# Altium PCB My Little Freind.PcbDoc
Units mil, origin at the board's own origin, x right, y up, seen from the top; angles counter-clockwise.
Board outline 2952.76 x 2145.67 mil, 2 copper layers (Top Layer, Bottom Layer); 65 components, 65 nets, 260 pads, 49 vias.
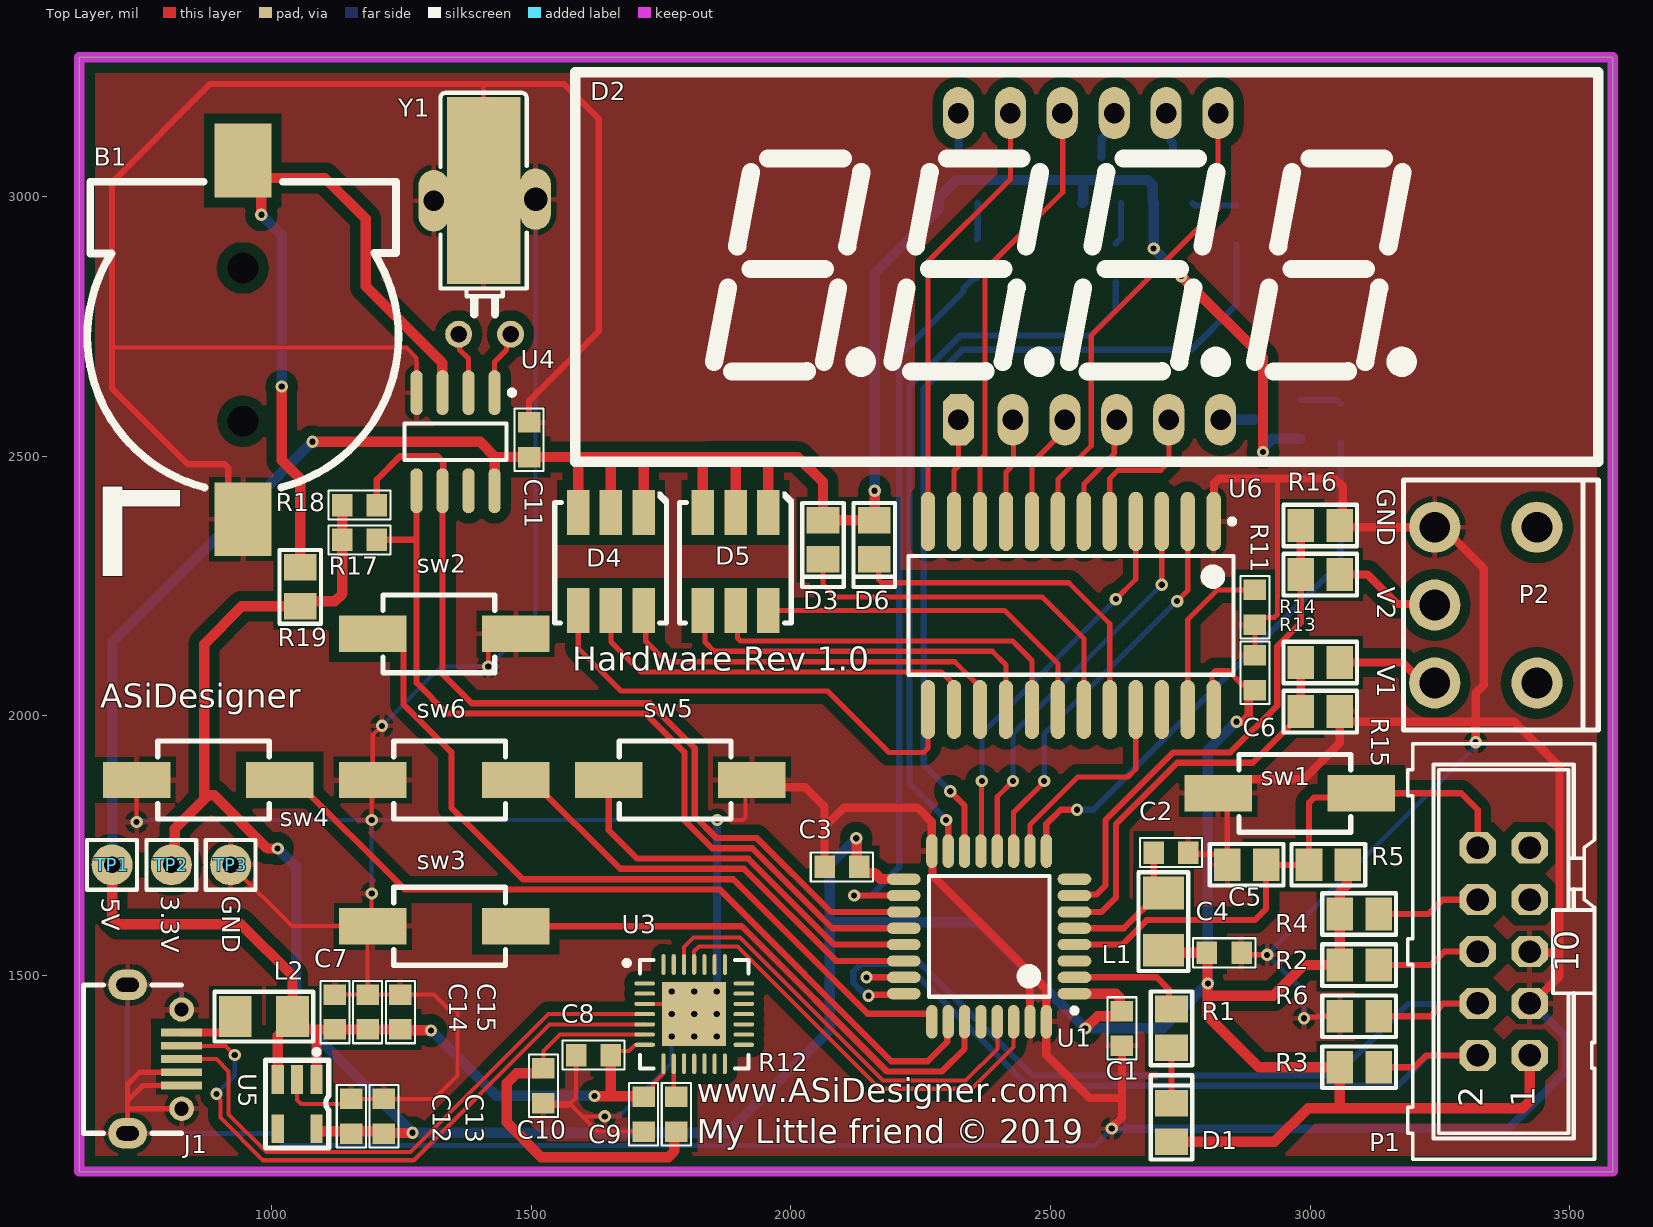
[diagram p0: Top Layer view]
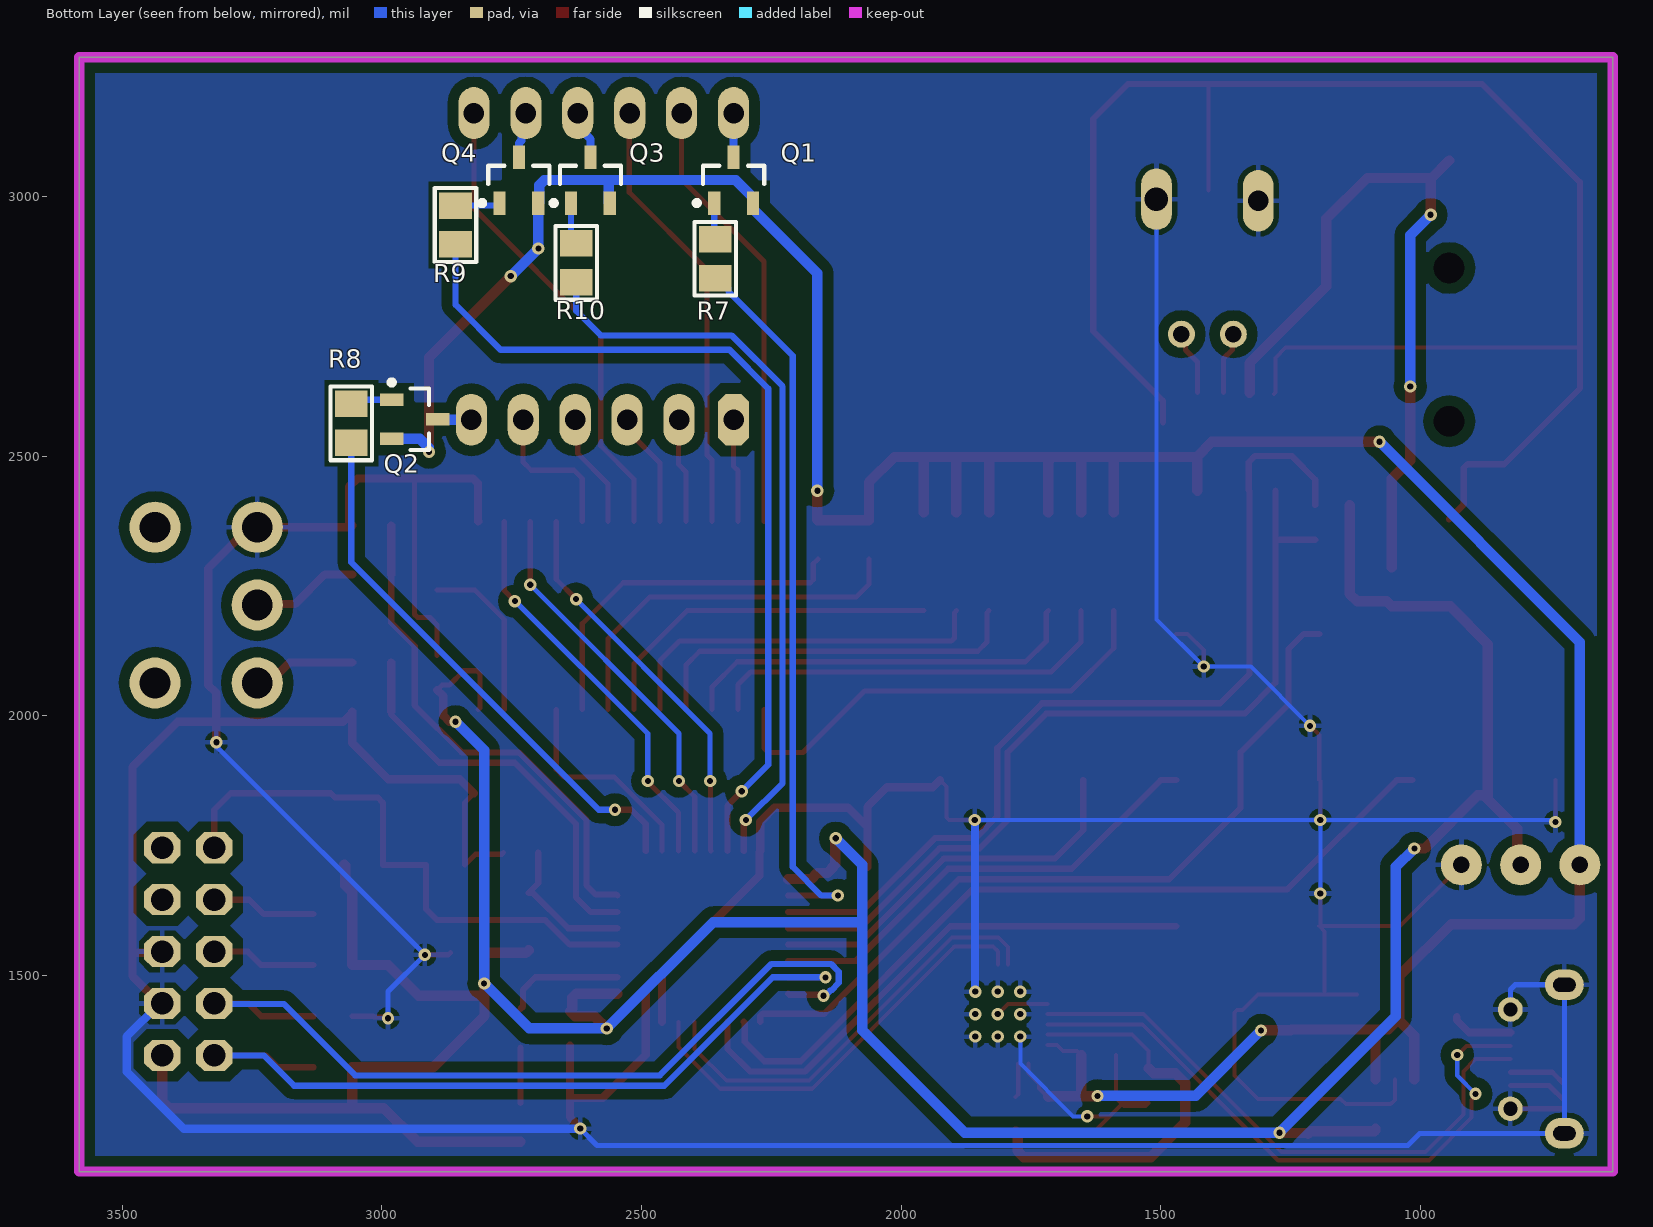
[diagram p1: Bottom Layer view, seen from below]
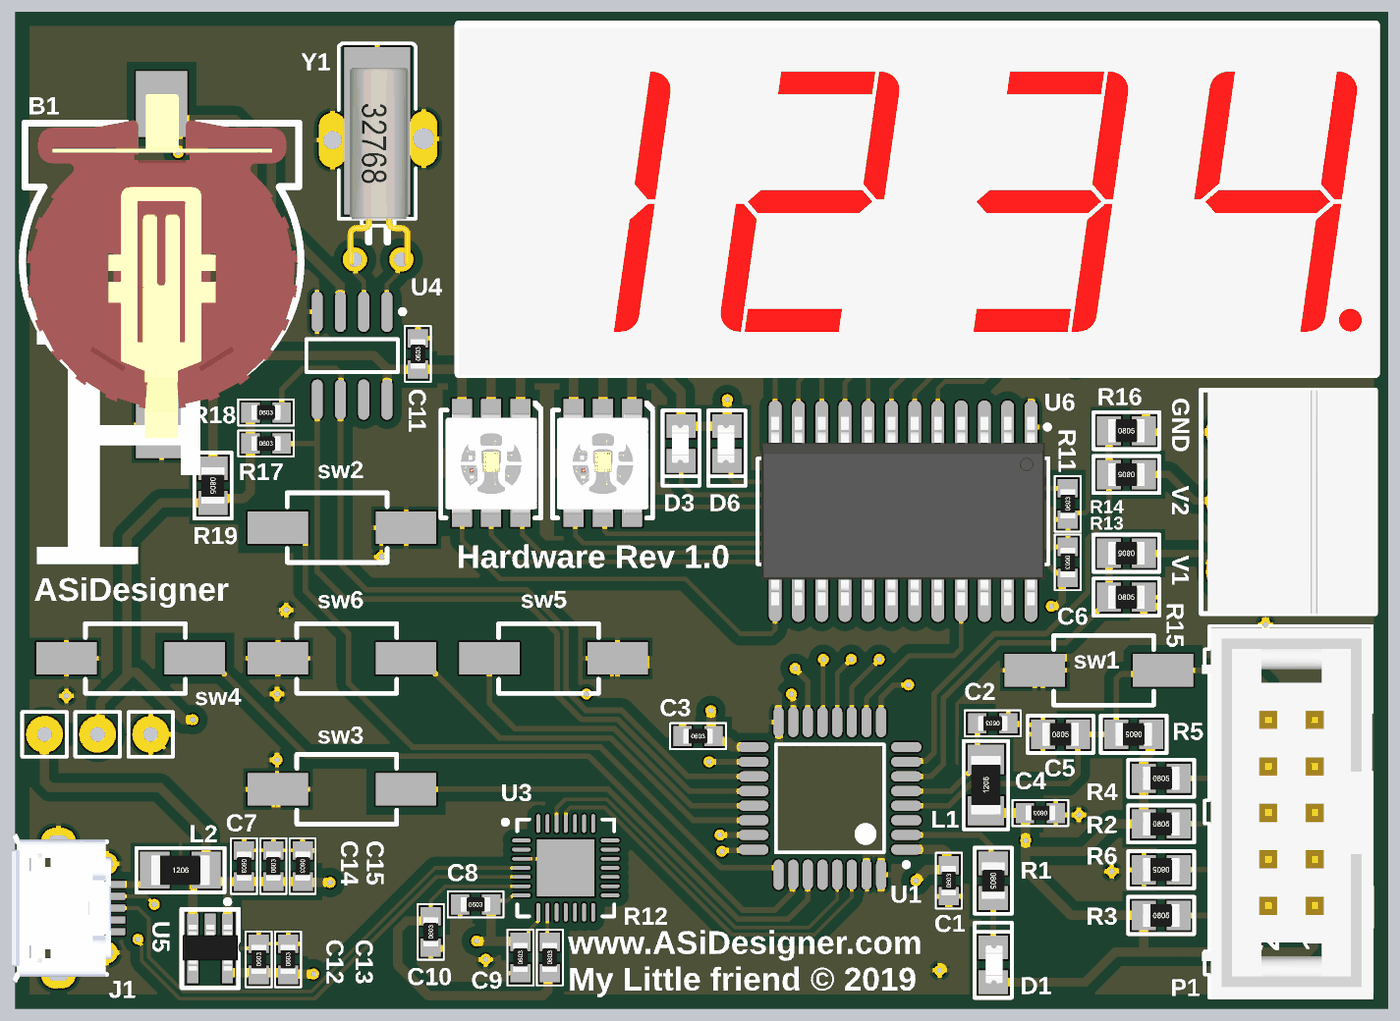
[diagram p2: 3D render of the assembled board from above, using the file's embedded part models]
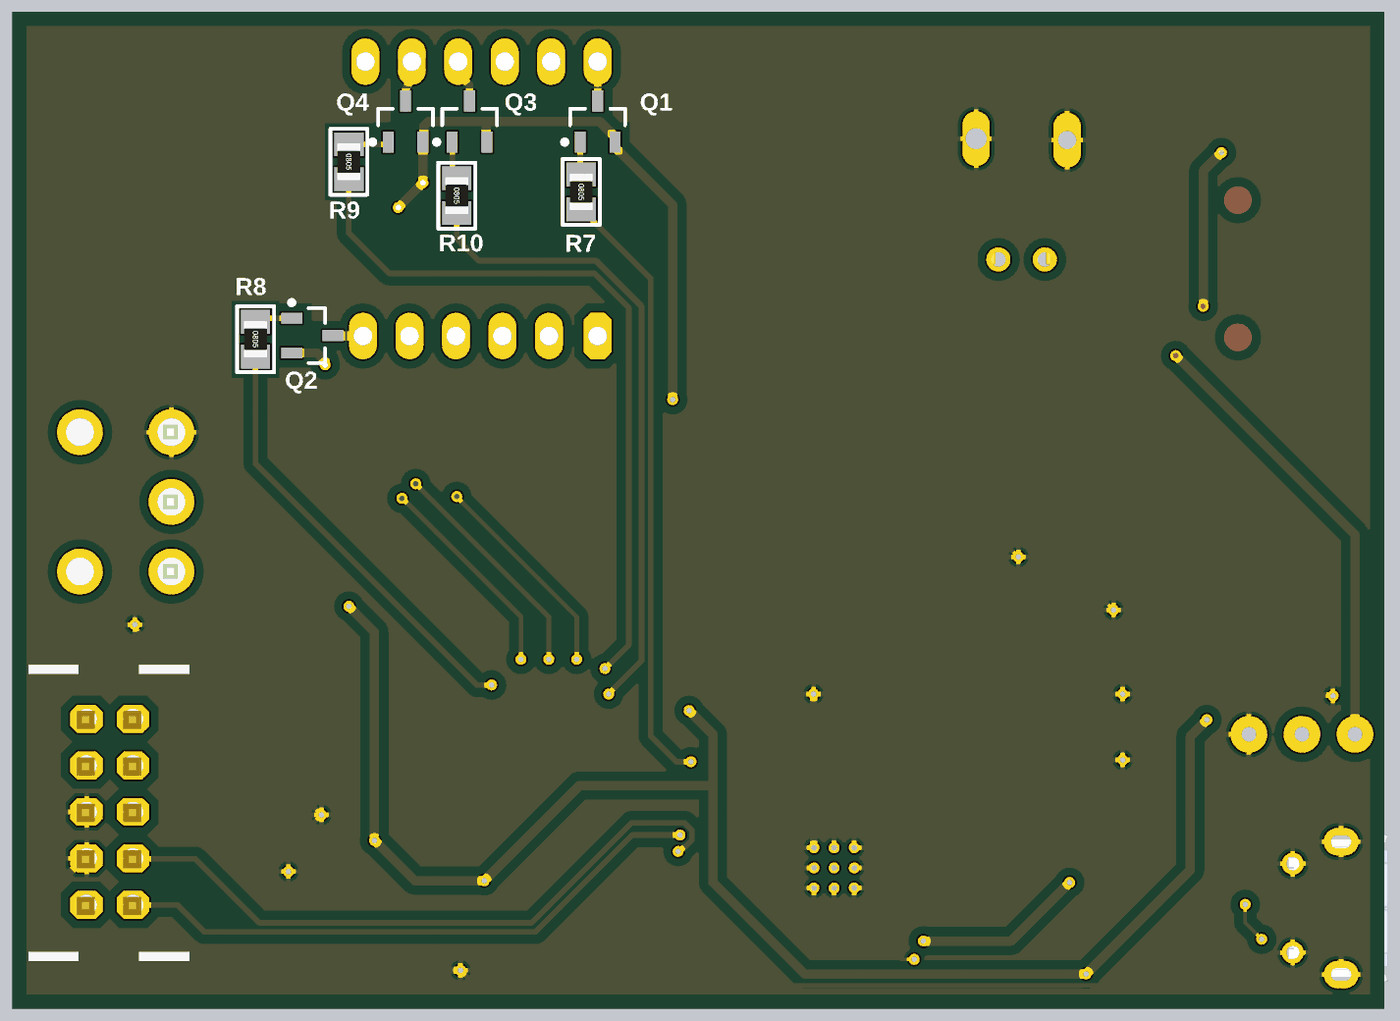
[diagram p3: 3D render of the assembled board from below, using the file's embedded part models]

## Layer stack, top to bottom
Top Solder: solder mask 0.4, Solder Resist, Dk 3.5
Top Layer: signal copper 1.4
Dielectric 1: dielectric 12.6, FR-4, Dk 4.8
Bottom Layer: signal copper 1.4
Bottom Solder: solder mask 0.4, Solder Resist, Dk 3.5

## Board outline
629.92,1122.05 629.92,3267.72 3582.68,3267.72 3582.68,1122.05

## Design rules (kind name [scope] priority, off if disabled: settings)
Clearance Clearance_1 [InNamedPolygon('BOT_GND') Or  InNamedPolygon('TOP_GND')] p1: gap=20 ignorepadtopadclearanceinfootprint=FALSE
Clearance [All] p2: gap=7.8 ignorepadtopadclearanceinfootprint=FALSE
DiffPairsRouting [All] p1: maxlimit=10 minlimit=7.8 mostfreqgap=7.8 toplayer_minwidth=7.8 toplayer_maxwidth=15 toplayer_prefwidth=7.8 bottomlayer_minwidth=7.8 bottomlayer_maxwidth=15 bottomlayer_prefwidth=7.8 maxuncoupledlength=500
HoleSize [All] p1: absolutevalues=TRUE maxlimit=118.11 minlimit=11.81 maxpercent=80.000 minpercent=20.000
HoleToHoleClearance [All] p1: gap=4 allowstackedmicrovias=TRUE
MinimumSolderMaskSliver [All] p1: minsoldermaskwidth=4
PolygonConnect [All] p1: connectstyle=Relief reliefconductorwidth=10 reliefentries=4 polygonreliefangle="90 Angle" airgapwidth=10
RoutingVias [All] p1: holewidth=11.81 width=23.62 viastyle="Through Hole" minholewidth=11.81 minwidth=23.62 maxholewidth=19.68 maxwidth=39.37
SilkToSilkClearance [All] p1: silktosilkclearance=4
SilkToSolderMaskClearance [IsPad] p1: minsilkscreentomaskgap=4 clearancetoexposedcopper=TRUE
SolderMaskExpansion [All] p1: expansion=4
Width [All] p1: maxlimit=100 minlimit=7.5 preferedwidth=10
24 further rules are at their usual default settings.

## Classes and differential pairs
net class C[3..0]: C0 C1 C2 C3
net class ADC[1..0]: ADC0 ADC1
component class "U_[06] Keypad": sw2 sw3 sw4 sw5 sw6
component class "U_[05] RTC": B1 C11 R17 R18 R19 U4 Y1
component class "U_[04] ADC": P2 R13 R14 R15 R16
component class "U_[03] USB": C7 C8 C9 C10 C12 C13 C14 C15 J1 L2 R12 U3 U5
component class "U_[02] Seven Segment": C6 D2 D3 D4 D5 D6 Q1 Q2 Q3 Q4 R7 R8 R9 R10 R11 U6
component class "[01] Main": C1 C2 C3 C4 C5 D1 L1 P1 R1 R2 R3 R4 R5 R6 sw1 TP1 TP2 TP3 U1
differential pair USB_D: +USB_D_P -USB_D_N

## Components (designator, comment, footprint, x,y, rotation, side; value= is the part's Value field where it differs from the comment)
B1 "Littium Battery" "MY_RTC BAT SMD" 944.88,2736.22 r90 top
C1 "100nF" MY_0603 2637.8,1397.64 r90 top
C2 "100nF" MY_0603 2732.28,1736.22 r180 top
C3 "100nF" MY_0603 2098.43,1708.66 r0 top
C4 "100nF" MY_0603 2834.65,1543.31 r180 top
C5 "100nF" MY_0805 2877.95,1712.6 r0 top
C6 "100nF" MY_0603 2893.7,2082.68 r270 top
C7 "100nF" MY_0603 1122.05,1429.13 r270 top
C8 "100nF" MY_0603 1620.08,1346.46 r0 top
C9 "1uF" MY_0603 1716.54,1232.28 r90 top
C10 "100nF" MY_0603 1523.62,1287.4 r90 top
C11 "100nF" MY_0603 1496.06,2531.5 r90 top
C12 "100nF" MY_0603 1153.54,1228.35 r90 top
C13 "1uF" MY_0603 1216.54,1228.35 r90 top
C14 "100nF" MY_0603 1185.04,1429.13 r90 top
C15 "1uF" MY_0603 1248.03,1429.13 r270 top
D1 "LED Y" MY_LED_0805 2736.22,1216.54 r270 top
D2 "comon anode 4x7 segment" MY_4X7_seg 2511.81,2862.2 r0 top
D3 "LED G" MY_LED_0805 2059.05,2338.58 r90 top
D4 "LED RGB" MY_RGB5050 1653.54,2295.28 r90 top
D5 "LED RGB" MY_RGB5050 1893.7,2295.28 r90 top
D6 "LED G" MY_LED_0805 2157.48,2338.58 r90 top
J1 "Mini_USB" MY_Micro_USB_B 826.9,1243.04 r0 top
L1 "BLM31PG601SN1L" MY_1206 2716.54,1602.36 r90 top
L2 "BLM31PG601SN1L" MY_1206 984.25,1421.26 r0 top
P1 "Header 5X2" MY_2X05_BOX 3372.83,1545.67 r90 top
P2 "Header 3" MY_ECH381H_03P 3437.01,2062.99 r90 top
Q1 "BC807-16" SOT-23A_N 2322.83,3031.5 r90 bottom
Q2 "BC807-16" SOT-23A_N 2937.01,2570.87 r180 bottom
Q3 "BC807-16" SOT-23A_N 2598.43,3031.5 r90 bottom
Q4 "BC807-16" SOT-23A_N 2736.22,3031.5 r90 bottom
R1 "120" MY_0805 2733.22,1397.64 r270 top
R2 "10K" MY_0805 3094.49,1519.68 r0 top
R3 "10K" MY_0805 3094.49,1322.83 r0 top
R4 "10K" MY_0805 3094.49,1618.11 r0 top
R5 "10K" MY_0805 3035.43,1712.6 r180 top
R6 "10K" MY_0805 3094.49,1421.26 r180 top
R7 "2.2K" MY_0805 2358.27,2879.92 r270 bottom
R8 "2.2K" MY_0805 3059.06,2562.99 r270 bottom
R9 "2.2K" MY_0805 2858.27,2944.88 r270 bottom
R10 "2.2K" MY_0805 2625.98,2872.05 r270 bottom
R11 "37.4K" MY_0603 2893.7,2208.66 r90 top
R12 "1K" MY_0603 1779.53,1232.28 r90 top
R13 "47K" MY_0805 3019.68,2102.36 r180 top
R14 "47K" MY_0805 3019.68,2271.65 r180 top
R15 "7.5K" MY_0805 3019.68,2007.87 r0 top
R16 "7.5K" MY_0805 3019.68,2366.14 r0 top
R17 "4.7K" MY_0603 1169.29,2338.58 r0 top
R18 "4.7K" MY_0603 1169.29,2405.51 r0 top
R19 "NC" MY_0805 1055.12,2248.03 r270 top
sw1 "Tac switch" MY_PB-SMD 3098.43,1850.39 r180 top
sw2 "Tac switch" MY_PB-SMD 1194.88,2157.48 r0 top
sw3 "Tac switch" MY_PB-SMD 1470.47,1594.49 r180 top
sw4 "Tac switch" MY_PB-SMD 1015.75,1875.98 r180 top
sw5 "Tac switch" MY_PB-SMD 1649.61,1875.98 r0 top
sw6 "Tac switch" MY_PB-SMD 1470.47,1875.98 r180 top
TP1 "5V" MY_TestPin 692.91,1712.6 r0 top
TP2 "3.3V" MY_TestPin 807.09,1712.6 r0 top
TP3 "GND" MY_TestPin 921.26,1712.6 r0 top
U1 "STM32F030K6T6" STM-LQFP32_N 2381.89,1574.8 r180 top
U3 "CP2102-GM" SLAB-QFN-28-3125x3125TP_N 1813.98,1425.2 r0 top
U4 "DS1307Z" SOIC8N_N 1354.33,2527.56 r270 top
U5 "ME6211C33M5G" MY_SOT23-5 1086.61,1299.21 r270 top
U6 "STP1612PW05" MY_SOIC24 2539.37,2192.91 r270 top
Y1 "32.768KHz" MY_RTC_Crystal 1413.39,2901.57 r0 top

## Footprints (in the part's own frame and the unit in brackets; to place one, negate y for a bottom-side part, rotate by r counter-clockwise, add the part's x,y. Pads: shape width x height; smd on the part's side, far side on the other; paste and mask are expansions set on the pad)
MY_2X05_BOX [mil]
  oct 60x70 hole 43.31: 1(-200,-50) 2(-200,50) 3(-100,-50) 4(-100,50) 5(0,-50) 6(0,50) 7(100,-50) 8(100,50) 9(200,-50) 10(200,50)
  silkscreen extent -400,-175 400,185, body extent -400,-179 396,191, height 347
MY_4X7_seg [mil]
  oct 60x100 hole 39.37: 1(-188.97,-292.29)
  oval 60x100 hole 39.37: 2(-83.97,-292.29) 3(16.03,-292.29) 4(116.03,-292.29) 5(216.03,-292.29) 6(316.03,-292.29) 7(311.03,298.26) 8(211.03,298.26) 9(111.03,298.26) 10(11.03,298.26) 11(-88.97,298.26) 12(-188.97,298.26)
  silkscreen extent -927,-373 1043,377, body extent -928,-377 1052,371, height 316
MY_0603 [mm]
  rect 1x1.1 smd: 1(-0.85,0) 2(0.85,0)
  silkscreen extent -1.52,-0.71 1.52,0.71, body extent -0.8,-0.4 0.8,0.4, height 0.44
MY_0805 [mm]
  rect 1.3x1.6 smd: 1(-0.95,0) 2(0.95,0)
  silkscreen extent -1.8,-1.02 1.8,1.02, body extent -1,-0.62 1,0.63, height 0.59
MY_1206 [mm]
  rect 1.6x2 smd: 1(-1.375,-0.025) 2(1.425,-0.025)
  silkscreen extent -2.39,-1.24 2.44,1.19, body extent -1.57,-0.83 1.63,0.77, height 0.59
MY_ECH381H_03P [mm]
  round 2.5 hole 1.5: 0(0,0) 0(7.62,0) 1(0,5) 2(3.81,5) 3(7.62,5)
  silkscreen extent -2.3,-3 9.92,6.53, body extent -2.3,-3.05 9.92,6.15, height 7.2
MY_LED_0805 [mm]
  rect 1.3x1.6 smd: A(0.95,-0.076) K(-0.95,-0.076)
  silkscreen extent -2.31,-1.09 1.8,0.94, body extent -1.06,-0.48 1.01,0.42, height 0.86
MY_Micro_USB_B [mm]
  rect 2x0.381 smd: 1(-0.003,3.722) 2(-0.003,3.074) 3(-0.003,2.427) 4(-0.003,1.779) 5(-0.003,1.131)
  oval 1.9x1.5 hole 0.7 slot 1.1 at 0 deg: 5(-2.645,-1.205) 5(-2.645,6.059)
  round 1.2 hole 0.699: 5(-0.003,0.001) 5(-0.003,4.852)
  silkscreen extent -4.8,-1.2 0,6.05, body extent -5.2,-1.67 0.23,6.53, height 2.68
MY_PB-SMD [mil] "Switch; 2 Leads"
  rect 130x70 smd: 1(0,0) 2(275.59,0)
  silkscreen extent 20,-75 235,75
MY_RGB5050 [mm]
  rect 2.2x1.1 smd: AB(2.438,-1.6) AG(2.438,1.6) AR(2.438,0) KB(-2.362,-1.6) KG(-2.362,1.6) KR(-2.362,0)
  silkscreen extent -2.97,-2.82 3.45,2.74, body extent -2.75,-2.5 2.75,2.5, height 1.53
"MY_RTC BAT SMD" [mm] "RTC BAT SMD"
  round 1 hole 1.5 unplated: 0(3.2,0) 1(-4.3,0)
  rect 3.6x2.8 smd: +(8.458,0) -(-9.093,0)
  silkscreen extent -7.54,-7.61 7.42,7.61, body extent -9.8,-7.4 9,7.35, height 4.26
MY_RTC_Crystal [mil]
  oval 59.06x118.11 hole 39.37: 0(-101,90)
  rect 141.73x360 smd: 0(-5,110)
  oval 59.06x118.11 hole 45.28: 0(95,93)
  round 52 hole 31.5: 1(-53,-167) 2(47,-167)
  silkscreen extent -88,-129 78,298, body extent -69,-178 67,246, height 130
MY_SOIC24 [mm]
  oval 2.9x0.7 smd: 1(-4.6,6.985) 2(-4.6,5.715) 3(-4.6,4.445) 4(-4.6,3.175) 5(-4.6,1.905) 6(-4.6,0.635) 7(-4.6,-0.635) 8(-4.6,-1.905) 9(-4.6,-3.175) 10(-4.6,-4.445) 11(-4.6,-5.715) 12(-4.6,-6.985) 13(4.6,-6.985) 14(4.6,-5.715) 15(4.6,-4.445) 16(4.6,-3.175) 17(4.6,-1.905) 18(4.6,-0.635) 19(4.6,0.635) 20(4.6,1.905) 21(4.6,3.175) 22(4.6,4.445) 23(4.6,5.715) 24(4.6,6.985)
  silkscreen extent -4.72,-7.95 2.9,8.01, body extent -5.15,-7.75 5.15,7.75, height 2.65
MY_SOT23-5 [mm]
  rect 1.4x0.6 smd: 1(0,0) 2(0,-0.95) 3(0,-1.9) 4(2.4,-1.9) 5(2.4,0)
  silkscreen extent -1.47,-2.5 3.35,0.6, body extent -0.08,-2.44 2.42,0.56, height 1.11
MY_TestPin [mil]
  round 79 hole 31.5: 1(0,0)
  silkscreen extent -48,-48 48,48
SLAB-QFN-28-3125x3125TP_N [mm] "QFN, 28-Leads, Body 5x5mm, Pitch 0.5mm, Thermal Pad 3.13x3.13mm, IPC Medium Density"
  oval 1.016x0.2 smd: 1(-2.425,1.5) 2(-2.425,1) 3(-2.425,0.5) 4(-2.425,0) 5(-2.425,-0.5) 6(-2.425,-1) 7(-2.425,-1.5) 15(2.425,-1.5) 16(2.425,-1) 17(2.425,-0.5) 18(2.425,0) 19(2.425,0.5) 20(2.425,1) 21(2.425,1.5)
  oval 0.2x1.016 smd: 8(-1.5,-2.425) 9(-1,-2.425) 10(-0.5,-2.425) 11(0,-2.425) 12(0.5,-2.425) 13(1,-2.425) 14(1.5,-2.425) 22(1.5,2.425) 23(1,2.425) 24(0.5,2.425) 25(0,2.425) 26(-0.5,2.425) 27(-1,2.425) 28(-1.5,2.425)
  rect 3.13x3.13 smd: 29(0,0)
  silkscreen extent -3.42,-2.65 2.65,2.65, body extent -2.5,-2.5 2.5,2.5, height 1
SOIC8N_N [mm] "SOIC, 8-Leads, Body 4.9x3.9mm, Pitch 1.27mm, IPC Medium Density"
  oval 2.2x0.6 smd: 1(-2.4,1.905) 2(-2.4,0.635) 3(-2.4,-0.635) 4(-2.4,-1.905) 5(2.4,-1.905) 6(2.4,-0.635) 7(2.4,0.635) 8(2.4,1.905)
  silkscreen extent -2.52,-2.5 0.9,2.88, body extent -2,-2.5 2,2.5, height 1.75
SOT-23A_N [mm] "SOT23, 3-Leads, Body 2.9x1.3mm, Pitch 0.95mm, Lead Span 2.3mm, IPC Medium Density"
  rect 1.15x0.6 smd: 1(-1.125,0.95) 2(-1.125,-0.95) 3(1.125,0)
  silkscreen extent -1.25,-1.5 0.7,1.93, body extent -0.7,-1.5 0.7,1.5, height 1.09
STM-LQFP32_N [mm] "QFP, 32-Leads, Body 7x7mm, Pitch 0.8mm, IPC Medium Density"
  oval 1.65x0.55 smd: 1(-4.175,2.8) 2(-4.175,2) 3(-4.175,1.2) 4(-4.175,0.4) 5(-4.175,-0.4) 6(-4.175,-1.2) 7(-4.175,-2) 8(-4.175,-2.8) 17(4.175,-2.8) 18(4.175,-2) 19(4.175,-1.2) 20(4.175,-0.4) 21(4.175,0.4) 22(4.175,1.2) 23(4.175,2) 24(4.175,2.8)
  oval 0.55x1.65 smd: 9(-2.8,-4.175) 10(-2,-4.175) 11(-1.2,-4.175) 12(-0.4,-4.175) 13(0.4,-4.175) 14(1.2,-4.175) 15(2,-4.175) 16(2.8,-4.175) 25(2.8,4.175) 26(2,4.175) 27(1.2,4.175) 28(0.4,4.175) 29(-0.4,4.175) 30(-1.2,4.175) 31(-2,4.175) 32(-2.8,4.175)
  silkscreen extent -4.3,-2.95 2.95,3.75, body extent -3.5,-3.5 3.5,3.5, height 1.6

## Part data
B1: library part Battery, "3V PC Littium Battery"
C1 C2 C3 C4 C6 C7 C8 C9 C10 C11 C12 C13 C14 C15: library part "Cap ceramic", "None polar capacitor", ASiD Part Number=C-AS, Volte=50v
C5: library part "Cap ceramic", "CAP-100Nf"
D1 D3 D6: library part LED, "Typical INFRARED GaAs LED", ASiD Part Number=LED-AS
D2: library part "4x7 segment", ASiD Part Number=-AS
D4 D5: "Enhanced Power RGB LED", ASiD Part Number="RGB LED"
J1: "USB 2.0, Right Angle, SMT, B Type, Receptacle, 5 Position, Black", ASiD Part Number=Mini_USB-AS
L1 L2: library part Inductor, "Inductor", ASiD Part Number=Inductor-AS, Current=1A
P1: "Header, 10-Pin, Dual row", ASiD Part Number="Header 5X2-AS"
P2: "Header, 3-Pin", ASiD Part Number="Header 3-AS"
Q1 Q2 Q3 Q4: "PNP General Purpose Amplifier", ComponentLink1Description="Manufacturer Link", ComponentLink1URL=http://www.fairchildsemi.com/, ComponentLink2Description=Datasheet, ComponentLink2URL=http://www.fairchildsemi.com/ds/BC%2FBC807.pdf, DatasheetVersion=1997, LatestRevisionDate=20-Nov-2009, LatestRevisionNote="IPC-7351 Footprint Added.", PackageDescription="3-Pin SOT-23 Package 0.95 mm Pitch, 2.3 mm Lead Span", PackageReference=SOT-23A, PackageVersion=Sep-1998, Published=8-Jun-2000, Publisher="Altium Limited"
R1 R7 R8 R9 R10 R11 R12 R13 R14 R15 R16 R17 R18: library part Res, "Standard resistor", ASiD Part Number=Res-AS
R2 R3 R4 R5 R6 R19: library part Res, "resistor 1/4 wat"
sw1 sw2 sw3 sw4 sw5 sw6: "small tac switch", ASiD Part Number="Tac switch-AS"
TP1 TP2 TP3: library part "Test Point", "Test point", ASiD Part Number="Test Point-AS"
U1: "ARM Cortex-M0 32-bit MCU, 32 KB Flash, 4 KB Internal RAM, 26 I/Os, 32-pin LQFP, -40 to 85 degC, Tray", I/Os (High Current)=26, Operating Frequency(F) (Processor speed) (MHz)=48, Supplier Part Number 1=497-14046-ND, Supply Voltage(Vcc) min (V)=2.4, ComponentLink1Description="Manufacturer URL", ComponentLink1URL=http://www.st.com/web/en/home.html, ComponentLink2Description=Datasheet, ComponentLink2URL=http://www.st.com/st-web-ui/static/active/en/resource/technical/document/datasheet/DM00088500.pdf, ComponentLink3Description="Package Specification", ComponentLink3URL=http://www.st.com/st-web-ui/static/active/en/resource/technical/document/datasheet/DM00088500.pdf, Core="ARM Cortex-M0", DatasheetVersion="Rev. 1", FLASH Size (Prog) (kB)=32, Internal RAM Size (kB)=4, Mounting Technology="Surface Mount", PackageDescription="32-Pin Low Profile Quad Flat Package, 7 x 7 mm Body, 0.8 mm Pitch", PackageReference=LQFP32, PackageVersion="Rev. 1, 07/2013", Packing=Tray, PartNumber=STM32F030K6T6, Supplier 1=Digi-Key, Supplier 2=Newark, Supplier 3=Mouser, Supplier Part Number 2=19X6194, Supplier Part Number 3=511-STM32F030K6T6
U3: library part CMP-0511-00012-1, "Single-Chip USB to UART Bridge, 1024 Bytes EEPROM, -40 to 85 degC, 28-pin QFN, Tube", Manufacturer="Silicon Labs", Code_IPC=J-STD-020C, Code_JEDEC=MO-220, ComponentLink1Description="Manufacturer URL", ComponentLink1URL=http://www.silabs.com/, ComponentLink2Description=Datasheet, ComponentLink2URL=http://www.silabs.com/Support%20Documents/TechnicalDocs/CP2102-9.pdf, ComponentLink3Description="Package Specification", ComponentLink3URL=http://www.silabs.com/Support%20Documents/TechnicalDocs/C8051T61x.pdf, DatasheetVersion="Rev. 1.5", EEPROM="1024 Bytes", Internal Oscillator=TRUE, Mounting Technology="Surface Mount", PackageDescription="28-Pin Quad-Flat No-Leads Package, Body 5 x 5 mm, Pitch 0.5 mm", PackageReference=QFN-28, PartId=1, PartNumber=CP2102-GM, Sub-Family="USB Bridges"
U4: "64 X 8 Serial Real-Time Clock", Code_IPC=SOIC127P600-8, ComponentLink1Description="Manufacturer Link", ComponentLink1URL=http://www.maxim-ic.com/, ComponentLink2Description=Datasheet, ComponentLink2URL=http://pdfserv.maxim-ic.com/en/ds/DS1307.pdf, ComponentLink3Description="Discontinuation Notice", ComponentLink3URL=http://www.maxim-ic.com/qa/pdfs/non-obsolescence-letter.pdf, DatasheetVersion=10-Aug-1999, LatestRevisionDate=13-Apr-2006, LatestRevisionNote="IPC-7351 Footprint Added.", PackageDescription="8-Pin Small Outline Integrated Circuit 1.27 mm Pitch", PackageReference=SOIC8N, PackageVersion=1999, Published=13-Oct-2000, Publisher="Altium Limited"
U5: "High Speed LDO Regulators, High PSRR, Low noise"
U6: "16-channel LED driver with 16-bit PWM"
Y1: library part CRYSTAL, "Crystal", ASiD Part Number=Crystal-AS

## Via types
v1: diameter 23.62, hole 11.81, Top Layer to Bottom Layer, 49 vias

## Nets (pads, with @x,y where several pads share a name; then routed paths per layer and width w, separated by ;. In a path a pad name is that pad's centre, name@x,y a point inside that pad or via, vN(x,y) a via of type N, cw(c..) or ccw(c..) an arc to the next point about the centre after c; other vN are vias at no path point)
3.3V: C1.2 C3.2 C4.2 C6.2 C12.1 C13.1 D1.A L1.1 P1.1 R2.1 R3.1 R4.1 R5.1 R17.1 R18.1 R19.2 TP2.1 U1.1 U1.17 U5.5 U6.24 | length 7096.2
  Top Layer w10: U6.24 2811.02,2015.16 2811.02,2080.76 2816.88,2086.61 2842.52,2086.61 2870.08,2059.06 2883.86,2059.06 C6.2
  Top Layer w16: v1(2858.27,1988.19) 2870.08,1988.19 2881.89,2000 2881.89,2037.53 2893.57,2049.21 C6.2
  Top Layer w20: TP2.1 813.59,1719.11 813.59,1782.1 870.08,1838.58 ; v1(1011.81,1744.09) 992.13,1744.09 889.76,1846.46 877.95,1846.46 870.08,1838.58 ; U5.5 1086.61,1201.61 1088.43,1199.8 1211.61,1199.8 C13.1 1217.81,1196.16 1270.96,1196.16 v1(1271.65,1196.85) ; R18.1 R17.1 1135.83,2234.25 1122.05,2220.47 1064.96,2220.47 R19.2 942.91,2210.63 870.08,2137.8 870.08,1838.58 ; v1(2125.98,1763.78) 2126.68,1763.09 2126.68,1713.87 C3.2 2131.89,1706.69 2141.57,1697.01 2161.26,1697.01 2172.91,1685.36 2217.2,1685.36 U1.17 ; U1.1 2625.98,1464.57 2633.86,1456.69 2633.86,1435.04 C1.2 2628.11,1421.42 2590.71,1421.42 v1(2566.93,1397.64) ; L1.1 2722.47,1543.31 C4.2 2802.46,1542.03 2802.46,1460.63 ; D1.A 2931.1,1179.13 2996.06,1244.09 3055.12,1244.09 ; R5.1 3070.87,1710.63 3070.87,1673.23 3057.09,1659.45 R4.1 R2.1 2988.19,1519.68 2929.13,1460.63 2802.46,1460.63 ; P1.1 3422.83,1257.48 3409.45,1244.09 3055.12,1244.09 ; 2802.46,1460.63 2802.46,1421.95 2901.57,1322.83 R3.1 3057.09,1246.06 3055.12,1244.09
  Bottom Layer w20: v1(1011.81,1744.09) 1047.24,1708.66 1047.24,1421.26 v1(1271.65,1196.85) 1877.95,1196.85 2074.8,1393.7 2074.8,1602.36 ; v1(2125.98,1763.78) 2074.8,1712.6 2074.8,1602.36 ; v1(2858.27,1988.19) 2803.15,1933.07 v1(2803.15,1484.25) 2716.54,1397.64 v1(2566.93,1397.64) 2362.2,1602.36 2074.8,1602.36
5V: C7.2 C8.2 C9.2 C11.1 C14.1 C15.2 D3.A D4.AB D4.AG D4.AR D5.AB D5.AG D5.AR D6.A L2.2 Q1.2 Q2.2 Q3.2 Q4.2 TP1.1 U3.7 U3.8 U4.8 U5.1 U5.3 | length 6478.2
  Top Layer w7.8: C8.2 1661.42,1354.33 1688.13,1354.33 1699.94,1366.14 U3.7 ; C9.2 1718.5,1265.75 1734.29,1281.53 1734.29,1290.53 1754.92,1311.16 U3.8
  Top Layer w20: TP1.1 692.91,1610.14 704.63,1598.43 940.94,1598.43 1040.37,1499 L2.2 L2.2@1040.37,1417.17 ; U5.3 1011.81,1383.83 1040.37,1412.39 L2.2@1040.37,1417.17 ; v1@1082.68,2527.56 1401.57,2527.56 1431.1,2498.03 ; U5.1 1086.61,1391.73 1082.68,1395.67 ; v1(1307.09,1393.7) 1306.39,1394.39 1249.31,1394.39 C15.2 C7.2 1082.68,1395.67 ; U4.8 1430.02,2433.76 1430.02,2496.95 1431.1,2498.03 ; D4.AG 1590.54,2494.1 1586.61,2498.03 ; v1(1622.05,1267.72) 1622.74,1267.02 1715.26,1267.02 C9.2 ; 1653.17,1277.46 1653.17,1346.08 C8.2 ; D4.AR 1653.54,2498.02 ; D4.AB 1716.53,2490.17 1708.66,2498.03 ; D5.AG 1830.7,2494.09 1834.65,2498.03 ; D5.AR 1893.69,2494.09 1897.64,2498.03 ; D5.AB 1956.68,2498.02 ; v1(2161.42,2433.07) 2161.42,2376.92 D6.A D3.A 2062.05,2449.76 2013.78,2498.03 1956.69,2498.03 1897.64,2498.03 ; v1(2751.97,2846.46) 2909.45,2688.98 v1(2909.45,2507.87) ; L2.2@1040.37,1417.17 1061.87,1395.67 1082.68,1395.67 ; 1431.1,2498.03 C11.1 1586.61,2498.03 ; 1586.61,2498.03 1653.54,2498.03 1708.66,2498.03 ; 1708.66,2498.03 1834.65,2498.03 ; 1834.65,2498.03 1897.64,2498.03
  Bottom Layer w20: TP1.1 692.91,2141.73 v1(1078.74,2527.56) ; v1(1307.09,1393.7) 1433.07,1267.72 v1(1622.05,1267.72) ; v1(2161.42,2433.07) 2161.42,2852.36 2285.43,2976.38 Q1.2 2285.43,2998.03 2318.9,3031.5 2562.99,3031.5 ; Q3.2 2562.83,2989.02 2562.83,3031.34 2562.99,3031.5 ; v1(2751.97,2846.46) v1(2698.82,2899.61) Q4.2 2697.01,2989.02 2697.01,3021.59 2687.1,3031.5 2562.99,3031.5 ; v1(2909.45,2507.87) 2909.45,2515.75 2927.17,2533.46 Q2.2
ADC0: R13.2 R15.1 U1.6 | length 776.6
  Top Layer w12: U1.6 2598.43,1622.05 2626.1,1649.72 2626.1,1791.01 2653.66,1818.57 2744.42,1909.33 2834.97,1909.33 2889.65,1909.33 2982.28,2001.97 R15.1
  Top Layer w16: R15.1 R13.2
ADC1: R14.2 R16.1 U1.7 | length 981.6
  Top Layer w12: U1.7 2548.11,1655.39 2588.46,1655.39 2606.3,1673.23 2606.3,1799.21 2736.22,1929.13 2846.73,1929.13 2937.01,2019.41 2937.01,2133.86 2982.28,2179.13 R14.2
  Top Layer w16: R14.2 R16.1
C0: R7.2 U1.18 | length 1404.2
  Top Layer w12: v1(2122.05,1653.54) U1.18
  Bottom Layer w12: v1(2122.05,1653.54) 2153.54,1653.54 2208.66,1708.66 2208.66,2692.91 2332.77,2817.02 2332.77,2822.93 2352.36,2842.52 R7.2
C1: R10.2 U1.15 | length 1438.7
  Top Layer w12: v1(2299.21,1799.21) 2301.44,1796.99 2301.44,1791.37 2303.15,1789.65 U1.15
  Bottom Layer w12: v1(2299.21,1799.21) 2228.46,1869.96 2228.46,2633.97 2326.77,2732.28 2578.74,2732.28 2625.98,2779.53 R10.2
C2: R9.2 U1.14 | length 1708.7
  Top Layer w12: v1(2307.09,1854.33) 2334.65,1826.77 U1.14
  Bottom Layer w12: v1(2307.09,1854.33) 2255.91,1905.51 2255.91,2629.92 2330.71,2704.72 2771.65,2704.72 2858.27,2791.34 R9.2
C3: R8.2 U1.9 | length 1058.1
  Top Layer w12: U1.9 2492.13,1791.34 2519.68,1818.9 v1(2551.18,1818.9)
  Bottom Layer w12: v1(2551.18,1818.9) 2582.68,1818.9 3059.06,2295.28 R8.2
GND: B1.- C1.1 C2.1 C3.1 C4.1 C5.1 C6.1 C7.1 C8.1 C9.1 C10.1 C11.2 C12.2 C13.2 C14.2 C15.1 J1.4 J1.5 P1.3 P1.5 P2.3 R6.2 R11.1 R15.2 R16.2 sw1.2 sw2.2 sw3.2 sw4.2 sw5.2 sw6.2 TP3.1 U1.16 U1.31 U1.32 U3.3 U3.29 U4.4 U5.2 U6.1 Y1.0 | length 17840.4
  Top Layer w7.8: 692.91,2708.66 1259.84,2708.66 1279.33,2689.17 U4.4 U4.4@1282.36,2619.02 ; v1(740.16,1795.28) sw4.2 ; TP3.1 1039.37,1594.49 sw3.2 ; U5.2 1049.21,1259.95 1057.2,1251.97 1143.7,1251.97 C12.2 C13.2 1312.99,1261.81 1358.27,1307.09 1358.27,1428.5 1353.7,1433.07 1342.52,1433.07 1312.99,1462.6 C15.1 C14.2 ; C7.1 C14.2 ; v1(1192.91,1657.48) 1192.91,1596.46 sw3.2 ; v1(1192.91,1799.21) 1192.91,1874.02 sw6.2 1194.88,1962.6 v1(1212.6,1980.32) ; 1405.51,3216.54 1408.39,3213.66 Y1.0@1408.39,3011.57 ; v1(1417.32,2094.49) 1417.32,2126.38 1448.42,2157.48 sw2.2 ; C8.1 1586.61,1263.78 1570.87,1248.03 1529.53,1248.03 C10.1 1572.83,1253.94 1574.8,1251.97 1598.43,1228.35 ; v1(1641.73,1228.35) 1598.43,1228.35 ; C9.1 1627.95,1198.82 1598.43,1228.35 ; U3.3 1794.29,1444.88 v1(1813.98,1425.2) ; v1(1858.27,1799.21) 1908.25,1799.21 1912.82,1803.78 1912.82,1863.6 sw5.2 ; C14.2 1185.04,1584.65 sw3.2
  Top Layer w10: J1.5@722.77,1195.58 722.77,1244.09 ; J1.5@826.77,1243.08 723.78,1243.08 722.77,1244.09 ; J1.5@826.77,1287.58 752.15,1287.58 722.77,1258.2 ; J1.4 746.15,1313.08 722.77,1289.7 722.77,1258.2 ; C2.1 2768.78,1733.19 2819.96,1733.19 C5.1 2840.55,1832.68 sw1.2 ; C4.1 2872.05,1539.37 v1(2917.32,1539.37) ; C6.1 R11.1 2907.48,2188.98 2931.15,2188.98 2937.01,2194.83 2937.01,2455.47 2935.79,2456.69 ; v1(2988.19,1417.32) 2990.63,1419.76 3015,1419.76 3016.5,1421.26 R6.2 ; 722.77,1244.09 722.77,1258.2
  Top Layer w12: B1.- 916.48,2406.62 916.48,2477.22 909.45,2484.25 838.58,2484.25 692.91,2629.92 692.91,2708.66 692.91,3027.56 881.89,3216.54 1405.51,3216.54 1562.99,3216.54 1629.92,3149.61 1629.92,2740.16 1496.06,2606.3 C11.2
  Top Layer w16: sw5.2 1938.98,1862.2 2027.56,1862.2 2064.96,1824.8 2064.96,1785.43 ; C3.1 2064.96,1785.43 ; U1.31 2460.63,1503.94 ; v1(2618.11,1204.72) 2618.11,1206.79 2637.8,1226.47 2637.8,1263.78 ; C1.1 2637.8,1263.78 ; U6.1 2814.96,2374.61 2814.96,2447.32 2824.33,2456.69 2935.79,2456.69 3047.24,2456.69 3062.99,2440.94 3062.99,2372.05 R16.2 3060.24,2362.99 P2.3 3255.12,2362.99 3334.65,2283.46 3334.65,2059.06 3318.9,2043.31 3318.9,1988.19 ; sw1.2 2849.83,1877.39 2987.63,1877.39 3057.09,1946.85 R15.2@3057.09,2005.78 ; R15.2 R15.2@3057.09,2005.78 ; v1(3318.9,1948.82) 3318.9,1988.19 ; P1.3 3427.83,1445.67 3480.31,1498.15 3480.31,1543.31 ; P1.5 3425.2,1543.31 3480.31,1543.31 ; 2064.96,1785.43 2102.36,1822.83 2244.09,1822.83 2271.28,1795.65 2271.28,1739.55 U1.16 2272.74,1738.09 2272.74,1691.83 2460.63,1503.94 ; 2460.63,1503.94 2492.13,1472.44 U1.32 2492.13,1346.46 2574.8,1263.78 2637.8,1263.78 ; R15.2@3057.09,2005.78 3074.68,1988.19 3318.9,1988.19 ; 3318.9,1988.19 3393.7,1988.19 3480.31,1901.57 3480.31,1543.31
  Bottom Layer w7.8: v1(740.16,1795.28) 744.09,1799.21 v1(1192.91,1799.21) ; v1(1192.91,1657.48) v1(1192.91,1799.21) ; v1(1212.6,1980.32) 1326.77,2094.49 v1(1417.32,2094.49) 1508.39,2185.55 Y1.0@1508.39,2994.57 ; v1(1641.73,1228.35) 1669.29,1228.35 1770.67,1329.72 v1(1770.67,1381.89) ; v1(1858.27,1799.21) v1(1192.91,1799.21)
  Bottom Layer w10: J1.5@826.77,1434.08 826.77,1472.44 817.63,1481.58 722.77,1481.58 722.77,1195.58 1001.21,1195.58 1024.56,1172.24 2585.63,1172.24 v1(2618.11,1204.72) ; v1(2988.19,1417.32) 2988.19,1468.5 v1(2917.32,1539.37) v1@3316.29,1938.34
  Bottom Layer w16: v1(1857.28,1468.5) 1857.78,1469 1857.78,1798.72 v1(1858.27,1799.21) ; v1(2618.11,1204.72) 3381.89,1204.72 3491.61,1314.45 3491.61,1381.89 3427.83,1445.67 P1.3
  other v1: 1813.98,1381.89 1857.28,1381.89 1770.67,1425.2 1857.28,1425.2 1770.67,1468.5 1813.98,1468.5
KEY01: sw2.1 U1.25 | length 1517.6
  Top Layer w12: sw2.1 1224.88,2157.48 1253.88,2128.48 1253.88,2021.94 1346.46,1929.37 1346.46,1822.83 1484.14,1685.15 1888.86,1685.15 2147.93,1426.09 2267.19,1426.09 2271.65,1421.63 U1.25
KEY02: sw3.1 U1.27 | length 1050.3
  Top Layer w12: sw3.1 1905.51,1594.49 2185.27,1314.73 2291.11,1314.73 2334.65,1358.27 U1.27
KEY03: sw4.1 U1.26 | length 1564.5
  Top Layer w12: sw4.1 1045.75,1875.98 1256.38,1665.35 1862.65,1665.35 2193.47,1334.53 2263.66,1334.53 2301.3,1372.17 2301.3,1408.59 U1.26
KEY04: sw5.1 U1.21 | length 755.7
  Top Layer w12: sw5.1 1649.61,1779.53 1704.38,1724.75 1917.86,1724.75 2083.56,1559.05 U1.21
KEY05: sw6.1 U1.22 | length 891.4
  Top Layer w12: sw6.1 1500.47,1875.98 1671.5,1704.95 1909.66,1704.95 2087.06,1527.56 U1.22
LED: R1.1 U1.2 | length 231.3
  Top Layer w12: U1.2 2704.72,1496.06 2728.35,1472.44 2728.35,1439.91 R1.1
LED_CLK: U1.12 U6.3 | length 766
  Top Layer w10: U1.12 2397.64,1843.7 v1(2427.95,1874.02) ; v1(2714.37,2251.97) U6.3
  Bottom Layer w10: v1(2427.95,1874.02) 2427.95,1965.55 v1(2714.37,2251.97)
LED_LE: U1.13 U6.4 | length 758.1
  Top Layer w10: U1.13 2367.05,1740.08 2367.05,1873.11 v1(2367.95,1874.02) ; v1(2625.98,2224.41) 2664.37,2262.8 U6.4
  Bottom Layer w10: v1(2367.95,1874.02) 2367.95,1965.55 v1@2626.4,2224
LED_PWCLK: U1.10 U6.21 | length 413.9
  Top Layer w10: U1.10 2460.63,1789.98 2552.54,1881.89 2649.61,1881.89 2664.37,1896.65 U6.21
LED_SDI: U1.11 U6.2 | length 774.1
  Top Layer w10: U1.11 2429.13,1813.61 2487.95,1872.42 v1(2487.95,1874.02) ; v1(2744.09,2220.47) 2764.37,2240.75 U6.2
  Bottom Layer w10: v1(2487.95,1874.02) 2487.95,1965.55 v1@2743.48,2221.08
NetB1_+: B1.+ R19.1 U4.3 | length 1460.5
  Top Layer w20: B1.+ B1.+@978.67,3035.43 ; v1(980.32,2964.57) 980.32,3033.79 B1.+@978.67,3035.43 ; v1(1019.68,2633.86) 1019.68,2492.13 1055.12,2456.69 R19.1 ; U4.3 1328.64,2622.74 1328.64,2679.24 1181.1,2826.77 1181.1,2956.69 1102.36,3035.43 B1.+@978.67,3035.43
  Bottom Layer w20: v1(980.32,2964.57) 1019.68,2925.2 v1(1019.68,2633.86)
NetC2_2: C2.2 L1.2 U1.5 | length 284.9
  Top Layer w12: U1.5 2641.46,1590.55 2677.01,1626.1 2677.28,1626.1 2709.66,1658.48 L1.2 2713.6,1662.42 2698.82,1677.2 C2.2
NetD1_K: D1.K R1.2 | length 106.3
  Top Layer w12: D1.K R1.2
NetD2_6: D2.6 Q2.3 | length 65.3
  Bottom Layer w20: D2.6 2891.76,2569.91 Q2.3
NetD2_8: D2.8 Q4.3 | length 98.4
  Bottom Layer w12: Q4.3@2730.41,3081.6 Q4.3
  Bottom Layer w16: D2.8 2731.26,3152.05 2731.26,3107.32 2736.22,3102.36 Q4.3
NetD2_9: D2.9 Q3.3 | length 94.8
  Bottom Layer w16: Q3.3 2598.43,3110.24 2622.84,3134.65 D2.9
NetD2_12: D2.12 Q1.3 | length 84.7
  Bottom Layer w16: Q1.3 D2.12
NetJ1_1: J1.1 L2.1 | length 120
  Top Layer w15: J1.1 906.14,1389.58 930.13,1413.58 L2.1
NetQ1_1: Q1.1 R7.1 | length 70.7
  Bottom Layer w12: R7.1 2360.24,2919.29 Q1.1
NetQ2_1: Q2.1 R8.1 | length 81
  Bottom Layer w12: Q2.1 3051.18,2608.27 R8.1
NetQ3_1: Q3.1 R10.1 | length 81.8
  Bottom Layer w12: R10.1 2635.83,2919.29 Q3.1
NetQ4_1: Q4.1 R9.1 | length 86.7
  Bottom Layer w12: Q4.1 2778.54,2982.28 R9.1
NetR11_2: R11.2 U6.23 | length 326.4
  Top Layer w10: U6.23 2764.37,2185.4 2821.1,2242.13 R11.2
NetR12_2: R12.2 U3.9 | length 66
  Top Layer w7.8: U3.9 1774.61,1270.67 R12.2
NetU4_1: U4.1 Y1.2 | length 125.4
  Top Layer w10: U4.1 1429.33,2681.3 1452.35,2704.32 1452.35,2726.54 Y1.2
NetU4_2: U4.2 Y1.1 | length 120.4
  Top Layer w10: Y1.1 1362.2,2732.76 1362.2,2704.72 1379.33,2687.6 U4.2
RGBLED0: D4.KB U6.15 | length 783.9
  Top Layer w10: D4.KB 1720.47,2198.33 1720.47,2143.97 1760.54,2103.9 2315.59,2103.9 2364.37,2055.12 U6.15
RGBLED1: D4.KG U6.13 | length 907.1
  Top Layer w10: D4.KG 1590.54,2129.93 1673.23,2047.24 2070.87,2047.24 2188.98,1929.13 2255.91,1929.13 2264.37,1937.6 U6.13
RGBLED2: D4.KR U6.14 | length 803.3
  Top Layer w10: D4.KR 1653.54,2141.74 1711.38,2083.9 2290.34,2083.9 2314.37,2059.87 U6.14
RGBLED3: D5.KB U6.18 | length 688.1
  Top Layer w10: D5.KB 2411.9,2202.28 2514.37,2099.8 U6.18
RGBLED4: D5.KG U6.16 | length 745.9
  Top Layer w10: D5.KG 1834.65,2198.33 1834.65,2141.73 1852.48,2123.9 2387.91,2123.9 2414.37,2097.44 U6.16
RGBLED5: D5.KR U6.17 | length 733.6
  Top Layer w10: D5.KR 1897.64,2198.33 1897.64,2149.61 1903.35,2143.9 2426.97,2143.9 2464.37,2106.5 U6.17
RGBLED6: D3.K U6.19 | length 730.4
  Top Layer w10: D3.K 2062.05,2252.91 2086.61,2228.35 2484.25,2228.35 2564.37,2148.23 U6.19
RGBLED7: D6.K U6.20 | length 688.4
  Top Layer w10: D6.K 2169.29,2292.37 2169.29,2261.76 2175.15,2255.91 2535.43,2255.91 2614.37,2176.97 U6.20
RST: C5.2 P1.10 R5.2 sw1.1 U1.4 | length 1103.4
  Top Layer w12: U1.4 2637.96,1559.05 2685.21,1606.3 2893.7,1606.3 2915.35,1627.95 C5.2 R5.2 2998.03,1832.68 3007.87,1842.52 3090.55,1842.52 sw1.1 3291.34,1850.39 3322.83,1818.9 P1.10
RXD: U1.29 U3.26 | length 836.3
  Top Layer w7.8: U3.26 1794.31,1554.15 1813.01,1572.85 1902.12,1572.85 2177.94,1297.03 2336.4,1297.03 2397.64,1358.27 U1.29
SCL: R18.2 U1.19 U4.6 | length 1764.2
  Top Layer w12: R18.2 1202.76,2454.72 1248.03,2500 1318.9,2500 1330.71,2488.19 1330.71,2434.45 U4.6 1329.33,2080.12 1385.71,2023.74 1728.67,2023.74 1814.85,1937.56 1814.85,1806.41 1856.91,1764.35 1934.27,1764.35 2076.57,1622.05 U1.19
SDA: R17.2 U1.20 U4.5 | length 1653.5
  Top Layer w12: R17.2 1275.59,2338.58 ; U4.5 1279.33,2063.19 1338.58,2003.94 1720.47,2003.94 1795.05,1929.36 1795.05,1798.21 1848.71,1744.55 1926.06,1744.55 2080.07,1590.55 U1.20
SEG_A: D2.11 U6.12 | length 852.1
  Top Layer w10: U6.12 2264.37,2874.61 2422.84,3033.08 D2.11
SEG_B: D2.7 U6.7 | length 914.2
  Top Layer w10: U6.7 2514.37,2455.32 2578.74,2519.69 2578.74,2732.28 2822.84,2976.39 D2.7
SEG_C: D2.4 U6.6 | length 222.2
  Top Layer w10: U6.6 2564.37,2446.26 2623.02,2504.91 2623.02,2565.09 D2.4
SEG_D: D2.2 U6.9 | length 202.5
  Top Layer w10: U6.9 2414.37,2469.49 2429.13,2484.25 2429.13,2568.62 D2.2
SEG_E: D2.1 U6.11 | length 199.4
  Top Layer w10: U6.11 2314.37,2471.85 2322.84,2480.32 D2.1
SEG_F: D2.10 U6.10 | length 852.7
  Top Layer w10: U6.10 2364.37,2492.13 2374.02,2501.77 2374.02,2858.27 2523.62,3007.87 2523.62,3159.69 D2.10
SEG_G: D2.5 U6.5 | length 291.7
  Top Layer w10: U6.5 2614.37,2456.89 2629.92,2472.44 2712.6,2472.44 2728.35,2488.19 2728.35,2569.41 D2.5
SEG_H: D2.3 U6.8 | length 222.2
  Top Layer w10: U6.8 2464.37,2486.44 2527.84,2549.91 D2.3
SWCLK: P1.4 R6.1 U1.24 | length 1686.9
  Top Layer w12: v1(2149.61,1460.63) 2151.7,1462.72 2215.67,1462.72 U1.24 ; R6.1 3232.28,1421.26 3256.69,1445.67 P1.4
  Bottom Layer w12: v1(2149.61,1460.63) 2146.46,1460.63 2136.64,1470.45 2135.06,1470.45 2120.06,1485.45 2120.06,1506.67 2135.06,1521.67 2249.98,1521.67 2464.57,1307.09 3051.18,1307.09 3188.98,1444.88 3322.05,1444.88 P1.4
SWDIO: P1.2 R3.2 U1.23 | length 1560.1
  Top Layer w12: v1(2145.67,1496.06) U1.23 ; R3.2 3200.79,1322.83 3223.62,1345.67 P1.2
  Bottom Layer w12: v1(2145.67,1496.06) 2247.59,1496.06 2456.37,1287.29 3169.29,1287.29 3227.67,1345.67 P1.2
SWO: P1.6 R2.2 | length 201.7
  Top Layer w12: R2.2 3232.28,1519.68 3258.27,1545.67 P1.6
TDI: P1.8 R4.2 | length 202.4
  Top Layer w12: R4.2 3228.35,1618.11 3255.91,1645.67 P1.8
TXD: U1.30 U3.25 | length 858.1
  Top Layer w7.8: U3.25 U3.25@1813.98,1539.25 ; U3.25 1813.99,1546.27 1822.83,1555.12 1897.79,1555.12 2171.48,1281.43 2348.36,1281.43 2429.13,1362.2 U1.30
USB_D_N: J1.2 U3.5 | length 1208.5
  Top Layer w7.8: J1.2 911.51,1364.08 v1(929.13,1346.46) ; v1(893.78,1271.65) 893.78,1267.37 901.69,1259.46 901.69,1225.86 983.8,1143.75 1273.86,1143.75 1535.63,1405.51 U3.5 ; v1@926.46,1343.78 v1@926.46,1344.85
  Bottom Layer w7.8: v1(893.78,1271.65) 929.13,1307.01 v1(929.13,1346.46)
USB_D_P: J1.3 U3.4 | length 1124.5
  Top Layer w7.8: J1.3 893.7,1338.58 917.29,1315 917.29,1232.32 990.26,1159.35 1267.4,1159.35 1533.25,1425.2 U3.4
VDD: C10.2 R12.1 U3.6 | length 793.9
  Top Layer w7.8: C10.2 1523.62,1354.33 1555.12,1385.83 U3.6
  Top Layer w20: C10.2 1513.94,1311.18 1471.98,1311.18 1452.76,1291.95 1452.76,1216.54 1519.44,1149.85 1763.87,1149.85 1775.59,1161.56 1775.59,1194.88 R12.1
VIN0: P2.1 R13.1 | length 199.4
  Top Layer w16: R13.1 3178.48,2102.36 3217.85,2062.99 P2.1
VIN1: P2.2 R14.1 | length 207.4
  Top Layer w16: R14.1 3110.24,2271.65 3166.94,2214.94 3238.2,2214.94 P2.2
pads on no net: B1.0 B1.1 P1.7 P1.9 P2.0 U1.3 U1.8 U1.28 U3.1 U3.2 U3.10 U3.11 U3.12 U3.13 U3.14 U3.15 U3.16 U3.17 U3.18 U3.19 U3.20 U3.21 U3.22 U3.23 U3.24 U3.27 U3.28 U4.7 U5.4 U6.22

## Polygon pours and split planes (outlines as drawn)
GND on Top Layer "TOP_GND" (solid, remove dead copper, pour order 0): 629.92,1122.05 629.92,3267.72 3582.68,3267.72 3582.68,1122.05
GND on Bottom Layer "BOT_GND" (solid, remove dead copper, pour order 1): 629.92,1122.05 629.92,3267.72 3582.68,3267.72 3582.68,1122.05

## Keep-outs
Keep-Out Layer:
  the board outline again, w20

## Silkscreen, mask and mechanical layers (free items; w line width, h text height)
Top Overlay:
  text "GND" at 3118.11,2437.01 h60 r270
  text "V2" at 3117.39,2248.03 h60 r270
  text "V1" at 3117.39,2098.43 h60 r270
  text "F" at 637.8,2078.74 h1000
  text "Hardware Rev 1.0" at 1578.74,2070.87 h80
  text "ASiDesigner" at 669.98,2000 h80
  text "www.ASiDesigner.com" at 1818.9,1240.16 h80
  text "My Little friend © 2019" at 1818.9,1161.42 h80

## Text inside footprints (layer, text, board x,y; h text height)
P1: Top Overlay "2" at 3347.83,1245.67 h80 r90; Top Overlay "1" at 3447.83,1245.67 h80 r90; Top Overlay "10" at 3532.83,1505.67 h79 r90